# Altium PCB GN-1876-HI3519AV100_V1.PCBDOC (part 6 of 6)
Units mil, origin at the board's own origin, x right, y up, seen from the top; angles counter-clockwise.
Board outline 3755 x 2651.95 mil, 4 copper layers (Top Layer, Mid-Layer 1, Mid-Layer 2, Bottom Layer); 463 components, 378 nets, 2062 pads, 1225 vias.
Unrouted connection lines stored in the file: 13.
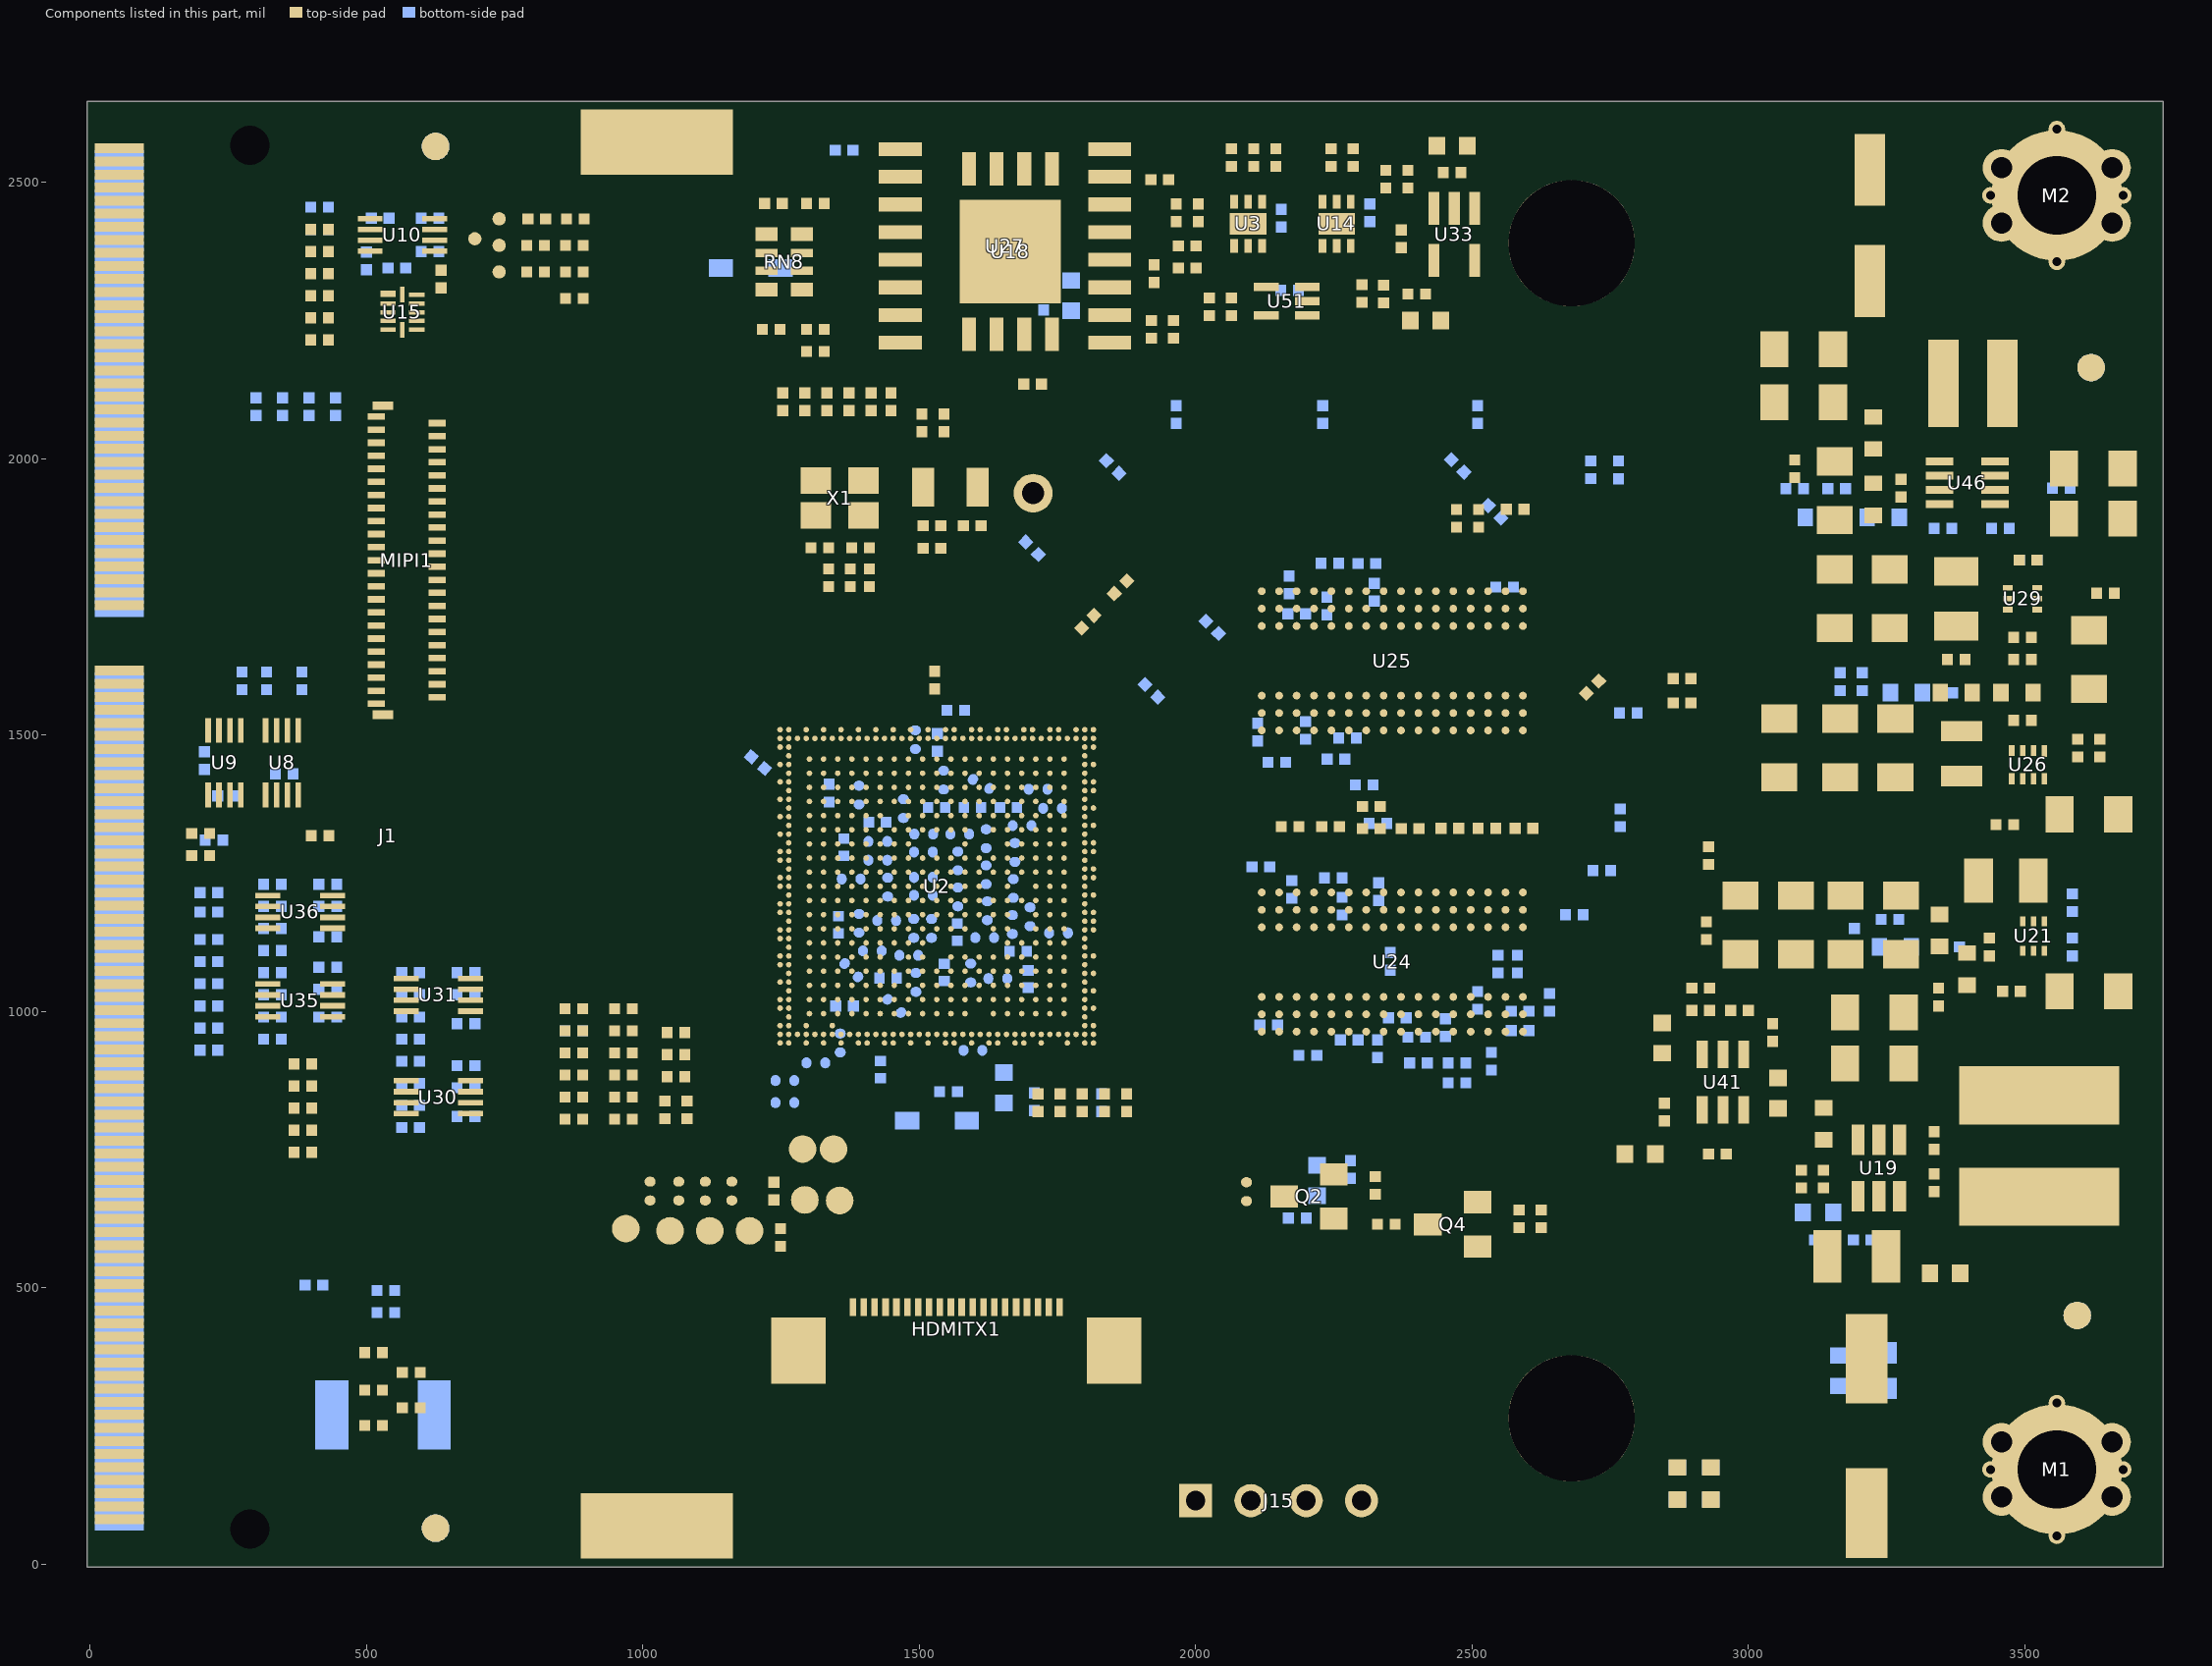
[diagram p8: the components of this part, seen from the top]

## Other copper
Top Layer:
  region net 1V2: 3480,1482.16 3460,1482.16 3416,1526.16 3352,1526.16 3328,1550.16 3308,1550.16 3308,1558.16 3364,1558.16 3364,1594.16 3292,1594.16 3254,1556.16 2972,1556.16 2947,1581.16 2947,1626.16 2892,1626.16 2892,1546.16 2940,1498.16 3320,1498.16 3336,1482.16 3424,1482.16 3444,1462.16 3480,1462.16 3480,1482.16
  pour cut-out: 3577,1609 3654,1609 3654,1657 3577,1657 3577,1609
  pour cut-out: 1964,1086.16 1868,1086.16 1826,1128.16 1792,1128.16 1785,1135.16 1785,1482.16 1544,1482.16 1514,1512.16 1514,1566.16 1507,1573.16 1507,1638.16 1540,1638.16 1540,1686.16 2030,2176.16 2628,2176.16 2865,1939.16 2865,1702.16 2788.5,1625.66 2788.5,1566.16 2666.25,1443.91 2124,1443.91 2029.12,1349.03 2029.12,1310.16 2050.56,1288.72 2820,1288.72 2820,1106.16 2696,982.16 2672,982.16 2588,898.16 2152,898.16 1964,1086.16
  pour cut-out: 1526,442.16 1369,442.16 1369,506.16 1526,506.16 1526,442.16
  region net $38N1952: 3492,1430.16 3492,1406.16 3482,1396.16 3440,1396.16 3423,1413.16 3423,1442.16 3376,1442.16 3376,1406.16 3406,1376.16 3488,1376.16 3501,1389.16 3501,1430.16 3492,1430.16
  region net 3V3: 2835,805 2835,720 2940,720 2940,760 2930,770 2930,850 2900,850 2900,795 2860,795 2860,805 2835,805
  region net 12V0: 3224,690.16 3224,506.16 3176,458.16 3124,458.16 3124,402.16 3174,352.16 3248,352.16 3297,401.16 3297,502.16 3348,502.16 3348,550.16 3288,610.16 3256,610.16 3248,618.16 3248,690.16 3224,690.16
  region net $37N2372: 3460,1974.16 3480,1974.16 3484,1978.16 3484,2022.16 3450,2056.16 3432,2056.16 3432,2214.16 3488,2214.16 3488,2126.16 3516,2098.16 3516,1974.16 3502,1960.16 3492,1960.16 3489,1963.16 3460,1963.16 3460,1974.16
  region net DVDD_CPU_MEDIA: 3374.5,1986.16 3320,1986.16 3320,2202.16 3272,2250.16 3204,2250.16 3204,2170.16 3250,2124.16 3250,2058.16 3208,2058.16 3208,2126.16 3192,2142.16 3184,2142.16 3184,2062.16 3202,2044.16 3202,1982.16 3120,1982.16 3116,1986.16 3040,1986.16 3040,2058.16 3124,2058.16 3124,2266.16 3194,2336.16 3292,2336.16 3385,2243.16 3385,2042.16 3374.5,2031.66 3374.5,1986.16
  region net $35N3552: 3268,638.16 3316,638.16 3346,608.16 3672,608.16 3672,718.16 3380,718.16 3380,682.16 3296,682.16 3286,692.16 3268,692.16 3268,638.16
  pour cut-out: 3074,2070 3126,2070 3126,2229 3074,2229 3074,2070
  pour cut-out: 3446,1195 3490,1195 3490,1280 3446,1280 3446,1195
  pour cut-out: 120,814.16 120,714.16 200,714.16 222,736.16 264,736.16 264,770.16 240,770.16 220,790.16 192,790.16 192,814.16 120,814.16
  pour cut-out: 3601,1860 3651,1860 3651,2013 3601,2013 3601,1860
  pour cut-out: 1505,958.16 1505,830.16 1500,825.16 1500,604.16 1525,579.16 1525,442.16 1773,442.16 1773,522.16 1759.5,535.66 1759.5,620.16 1656.75,722.91 1656.75,845.16 1604.88,897.03 1604.88,963.16 1600.44,967.59 1590,967.59 1585.78,963.38 1585.78,958.16 1580.89,953.27 1577,953.27 1573.05,957.21 1573.05,962.16 1567.03,968.18 1543,968.18 1536.49,961.67 1536.49,956.16 1533.74,953.41 1529,953.41 1524.63,957.79 1524.63,961.16 1520.81,964.97 1507,964.97 1507,958.16 1505,958.16
  region net 3V3: 3380,790.16 3352,818.16 3352,850.16 3296,850.16 3260,814.16 3124,814.16 3124,834.16 3240,834.16 3252,846.16 3252,1034.16 3308,1034.16 3348,994.16 3488,994.16 3498,1004.16 3498,1070.16 3507,1079.16 3528,1079.16 3528,1110.16 3544,1110.16 3582,1072.16 3582,986.16 3540,986.16 3500,946.16 3328,946.16 3328,910.16 3676,910.16 3676,790.16 3380,790.16
  region net 1V8: 3480,1730.16 3440,1730.16 3436,1726.16 3128,1726.16 3116,1738.16 3044,1738.16 3044,1654.16 3124,1654.16 3134,1664.16 3240,1664.16 3281,1623.16 3372,1623.16 3372,1650.16 3292,1650.16 3292,1666.16 3424,1666.16 3424,1682.16 3452,1710.16 3480,1710.16 3480,1730.16
  region net $36N2625: 3532,1154.16 3532,1278.16 3552,1278.16 3552,1154.16 3532,1154.16
  pour cut-out: 3386,2034 3434,2034 3434,2225 3386,2225 3386,2034
  pour cut-out: 3119,1915 3186,1915 3186,1969 3119,1969 3119,1915
  region net $37N2466: 3480,1762.16 3432,1762.16 3422,1772.16 3360,1772.16 3360,1822.16 3416,1822.16 3454,1784.16 3480,1784.16 3480,1762.16
  region net 1V8: 2475,2582.5 2475,2505 2490,2490 2490,2420 2520,2420 2520,2525 2525,2525 2525,2320 2545,2300 2560,2300 2575,2315 2575,2325 2555,2345 2555,2555 2527.5,2582.5 2475,2582.5
  pour cut-out: 496,2106.16 556,2106.16 582,2132.16 768,2132.16 805,2095.16 805,2042.16 822.5,2024.66 968,2024.66 999.25,1993.41 999.25,1498.16 1167.62,1329.78 1268,1329.78 1268,1062.16 1188,1062.16 1184,1058.16 824,1058.16 542,1340.16 542,1518.16 496,1518.16 496,2106.16
  pour cut-out: 3087,2383 3356,2383 3356,2459 3087,2459 3087,2383
  pour cut-out: 3018,1449 3325,1449 3325,1496 3018,1496 3018,1449
  pour cut-out: 3127,1727 3414,1727 3414,1772 3127,1772 3127,1727
  pour cut-out: 2950,1131 3309,1131 3309,1184 2950,1184 2950,1131
  pour cut-out: 2160,1322.16 2160,1346.16 2244,1346.16 2248,1350.16 2248,1398.16 2228,1418.16 2212,1418.16 2198,1432.16 2198,1450.16 2656,1450.16 2762,1556.16 2768,1556.16 2768,1458.16 2820,1406.16 2820,1278.16 2204,1278.16 2204,1314.16 2196,1322.16 2160,1322.16
  pour cut-out: 3381,717 3673,717 3673,792 3381,792 3381,717
  pour cut-out: 3054,173 3373,173 3373,292 3054,292 3054,173
  region net 3V3: 3512,1430.16 3512,1378.16 3486,1352.16 3486,1306.16 3592,1306.16 3592,1390.16 3606,1404.16 3606,1458.16 3584,1458.16 3584,1434.16 3544,1394.16 3528,1394.16 3522,1400.16 3522,1430.16 3512,1430.16
  pour cut-out: 3201,873 3257,873 3257,1029 3201,1029 3201,873
  pour cut-out: -0.4,2649.86 104.6,2649.86 104.6,0 -0.4,0 -0.4,2649.86
  region net DVDD: 3504,1150.16 3488,1150.16 3488,1158.16 3476,1170.16 3388,1170.16 3388,1202.16 3312,1202.16 3312,1186.16 3364,1186.16 3364,1166.16 3288,1166.16 3272,1182.16 2948,1182.16 2934,1168.16 2896,1168.16 2896,1258.16 2936,1258.16 2952,1242.16 3272,1242.16 3312,1282.16 3444,1282.16 3444,1202.16 3464,1182.16 3504,1182.16 3504,1150.16
  pour cut-out: 3171,505 3219,505 3219,605 3171,605 3171,505
  region net 3V3: 3516,1762.16 3572,1762.16 3572,1662.16 3576,1658.16 3652,1658.16 3652,1718.16 3628,1742.16 3628,1814.16 3600,1842.16 3600,2018.16 3540,2018.16 3540,1970.16 3522,1952.16 3432,1952.16 3432,1938.16 3476,1938.16 3494,1920.16 3494,1866.16 3525,1835.16 3525,1798.16 3568,1798.16 3568,1786.16 3544,1786.16 3532,1774.16 3516,1774.16 3516,1762.16
  pour cut-out: 3590,1320 3645,1320 3645,1391 3590,1391 3590,1320
  pour cut-out: 440,702.16 440,494.16 460,474.16 460,414.16 496,414.16 496,646.16 486,656.16 476,656.16 476,702.16 440,702.16
  pour cut-out: 3349,1447 3423,1447 3423,1482 3349,1482 3349,1447
  region net 3V3: 2168,770.16 2344,770.16 2392,722.16 2480,722.16 2480,698.16 2204,698.16 2168,734.16 2168,770.16
  text "GN-1876-HI3519AV100 ARTWORK TOP" at 347.75,-1844 h125
Mid-Layer 1:
  pour cut-out: 1525,505.16 1774,505.16 1774,442.16 1525,442.16 1525,505.16
  text "GN-1876-HI3519AV100  ARTWORK LAYER02" at 337.66,-2070.46 h125
Mid-Layer 2:
  region net 1V2: 289 vertices and 0 holes, not listed, extent 1590,1205.89 1710.01,1405.17
  pour cut-out: 584,2131.33 732,2131.33 732,2094.16 888,2094.16 970,2012.16 970,1462.16 1105,1327.16 1268,1327.16 1268,1310.16 1304,1310.16 1326,1288.16 1326,1098.16 1272,1098.16 1254,1080.16 916,1080.16 821,1175.16 821,1246.16 726.5,1340.66 700,1340.66 658.75,1299.41 632,1299.41 598.62,1332.78 552,1332.78 499.31,1385.47 499.31,1642.16 533.66,1676.5 533.66,2098.16 566.83,2131.33 584,2131.33
  region net 1V8: 2172,526.16 2268,526.16 2268,566.16 2172,566.16 2172,526.16
  region net 1V2: 470 vertices and 0 holes, not listed, extent 2125.99,925.57 2569.99,1013.84
  region net DVDD: 2895,1255 2895,1205 2955,1205 2955,1240 2935,1240 2920,1255 2895,1255
  pour cut-out: 2124,1226.16 2136,1214.16 2140,1218.16 2208,1218.16 2266,1160.16 2304,1160.16 2309,1165.16 2309,1174.16 2318.5,1183.66 2344,1183.66 2344,1114.16 2320,1090.16 2320,1082.16 2340,1062.16 2360,1062.16 2372,1050.16 2372,1030.16 2360,1018.16 2352,1018.16 2346,1012.16 2346,1006.16 2329,989.16 2168,989.16 2137.5,1019.66 2132,1019.66 2125.25,1012.91 2012,1012.91 1927.38,1097.53 1868,1097.53 1819.69,1145.84 1716,1145.84 1707.84,1154 1707.84,1202.16 1711.92,1206.24 1728,1206.24 1731.96,1210.2 1731.96,1246.16 1727.98,1250.14 1716,1250.14 1707.99,1258.15 1707.99,1282.16 1728,1282.16 1732,1286.16 1732,1294.16 1728,1298.16 1724,1298.16 1706,1316.16 1706,1350.16 1715,1359.16 1736,1359.16 1757.5,1380.66 1757.5,1398.16 1752.75,1402.91 1740,1402.91 1730.38,1412.53 1730.38,1446.16 1767.19,1482.97 1816,1482.97 2039.59,1706.56 2252,1706.56 2256.2,1702.36 2268,1702.36 2268,1702.16 2282,1688.16 2282,1682.16 2289,1675.16 2300,1675.16 2303.5,1678.66 2303.5,1686.16 2319.75,1702.41 2336,1702.41 2342.12,1696.28 2342.12,1662.16 2325.06,1645.09 2312,1645.09 2304.53,1637.63 2292,1637.63 2292,1626.16 2304,1626.16 2324,1606.16 2336,1606.16 2342,1600.16 2342,1550.16 2323,1531.16 2132,1531.16 2121.5,1520.66 2121.5,1470.16 2142.75,1448.91 2142.75,1274.16 2121.38,1252.78 2121.38,1226.16 2124,1226.16
  text "GN-1876-HI3519AV100  ARTWORK LAYER03" at 313.7,-2304.02 h125
Bottom Layer:
  pour cut-out: 1620,1030.16 1606,1016.16 1606,974.16 1717,863.16 1717,806.16 1702.5,791.66 1702.5,778.16 1643.25,718.91 556,718.91 542.38,732.53 364,732.53 345.19,751.34 312,751.34 306.59,756.75 306.59,782.16 299.3,789.45 268,789.45 262.35,783.81 262.35,766.16 244,766.16 240,770.16 240,782.16 230,792.16 230,798.16 239,807.16 239,822.16 207.5,853.66 104,853.66 104,718.16 152,718.16 152,694.16 188,658.16 284,658.16 308,634.16 308,622.16 192,622.16 124,690.16 104,690.16 104,530.16 236,530.16 268,498.16 356,498.16 370,484.16 456,484.16 489,517.16 1748,517.16 1946.5,715.66 1946.5,746.16 1927.25,765.41 1927.25,798.16 1893.62,831.78 1852,831.78 1852,874.16 1840,886.16 1824,886.16 1824,958.16 1784,998.16 1768,998.16 1738,1028.16 1620,1028.16 1620,1030.16
  region net 12V0: 3164,362.16 3264,362.16 3296,394.16 3296,446.16 3240,502.16 3240,602.16 3216,602.16 3216,502.16 3170,456.16 3124,456.16 3124,402.16 3164,362.16
  region net 3V3: 2164,770.16 2164,730.16 2188,706.16 2236,706.16 2252,722.16 2292,722.16 2292,770.16 2164,770.16
  region net 3V3: 2416,466.16 2480,466.16 2480,722.16 2416,722.16 2416,466.16
  region net 12V0IN: 124,200.16 194,200.16 328,334.16 418,334.16 418,208.16 350,208.16 206,64.16 124,64.16 124,200.16
  region net 12V0: 592,297.16 592,206.16 724,206.16 750,232.16 750,266.16 719,297.16 592,297.16
  pour cut-out: -0.4,0 104.6,0 104.6,2649.86 -0.4,2649.86 -0.4,0
  region net 1V8: 2176,526.16 2176,562.16 2188,574.16 2224,574.16 2258,608.16 2272,608.16 2272,526.16 2176,526.16
  region net 1V8: 3044,1654.16 3132,1654.16 3132,1738.16 3044,1738.16 3044,1654.16
  text "GN-1876-HI3519AV100  ARTWORK BOTTOM" at 5223.48,-2544.75 h125
Multi-Layer:
  lines w10: -3426.39,-2874.82 -2926.39,-2874.82 ; -3426.39,-324.82 -2926.39,-324.82 ; -3426.39,2225.18 -2926.39,2225.18 ; -516.39,4775.18 -516.39,5275.18 ; 1903.61,4775.18 1903.61,5275.18 ; 4333.61,4775.18 4333.61,5275.18 ; 6733.61,4775.18 6733.61,5275.18 ; 8103.61,3775.18 11573.61,3775.18 ; 8103.61,3975.18 11573.61,3975.18 ; 8103.61,4175.18 11573.61,4175.18 ; 8103.61,4375.18 11573.61,4375.18 ; 8103.61,4575.18 11573.61,4575.18 ; 8703.61,3575.18 8703.61,4575.18 ; 9153.61,4775.18 9153.61,5275.18 ; 10203.61,3575.18 10203.61,4575.18 ; 11103.61,3575.18 11103.61,4575.18 ; 11573.61,-2874.82 12073.61,-2874.82 ; 11573.61,-324.82 12073.61,-324.82 ; 11573.61,2225.18 12073.61,2225.18 ; 6873.61,-5424.82 6873.61,-4924.82 11573.61,-4924.82 11573.61,-5424.82 ; 6873.61,-5424.82 11573.61,-5424.82 ; 6873.61,-5424.82 6873.61,-2324.82 11573.61,-2324.82 11573.61,-5424.82 ; 6873.61,-5424.82 11573.61,-5424.82 ; 6873.61,-3524.82 6873.61,-3224.82 ; 6873.61,-3524.82 11573.61,-3524.82 ; 6873.61,-3524.82 6873.61,-3824.82 11573.61,-3824.82 11573.61,-3524.82 ; 6873.61,-3524.82 11573.61,-3524.82 ; 6873.61,-3224.82 6873.61,-2924.82 ; 6873.61,-3224.82 11573.61,-3224.82 ; 6873.61,-3224.82 6873.61,-2924.82 ; 6873.61,-3224.82 11573.61,-3224.82 ; 6873.61,-3224.82 11573.61,-3224.82 ; 6873.61,-2924.82 11573.61,-2924.82 ; 6873.61,-2924.82 11573.61,-2924.82 ; 9173.61,-3224.82 9173.61,-2924.82 11573.61,-2924.82 ; 9173.61,-3224.82 11573.61,-3224.82 ; 9173.61,-3224.82 9173.61,-3524.82 11573.61,-3524.82 ; 9173.61,-3224.82 11573.61,-3224.82 ; 11573.61,-5424.82 -2926.39,-5424.82 -2926.39,4775.18 11573.61,4775.18 ; 11573.61,-5424.82 11573.61,4775.18 ; 11573.61,-3524.82 11573.61,-3224.82 ; 11573.61,-3524.82 11573.61,-3224.82 ; 11573.61,-3224.82 11573.61,-2924.82 ; 11573.61,-3224.82 11573.61,-2924.82 ; 11573.61,-3224.82 11573.61,-2924.82 ; 11573.61,4775.18 11573.61,3575.18 8103.61,3575.18 8103.61,4775.18 11573.61,4775.18
  text "6" at -1726.39,4875.18 h125
  text "5" at 693.61,4875.18 h125
  text "4" at 3113.61,4875.18 h125
  text "3" at 5533.61,4875.18 h125
  text "2" at 7943.61,4875.18 h125
  text "1" at 10363.61,4875.18 h125
  text "REVISION RECORD" at 9423.61,4625.18 h50
  text "LTR" at 8323.61,4425.18 h50
  text "ECO NO:" at 9223.61,4425.18 h50
  text "APPROVED:" at 10373.61,4425.18 h50
  text "DATE:" at 11153.61,4425.18 h50
  text "D" at -3176.39,3495.18 h125
  text "D" at 11673.61,3495.18 h125
  text "C" at -3176.39,945.18 h125
  text "C" at 11673.61,945.18 h125
  text "B" at -3176.39,-1604.82 h125
  text "B" at 11673.61,-1604.82 h125
  text "Titel:" at 6973.61,-2624.82 h150
  text "GN-1876-HI3519AV100" at 7873.61,-2824.82 h150
  text "Ver:" at 6973.61,-3124.82 h100
  text "V1" at 7673.61,-3124.82 h100
  text "Date:" at 9273.61,-3124.82 h100
  text "2/25/2019" at 9973.61,-3124.82 h100
  text "Size:" at 6973.61,-3424.82 h100
  text "A3" at 7673.61,-3424.82 h100
  text "Copyright:" at 9273.61,-3424.82 h100
  text "2019" at 10273.61,-3424.82 h100
  text "Drawn By:" at 6973.61,-3724.82 h100
  text "XianQi Xie" at 8273.61,-3724.82 h100
  text "A" at -3176.39,-4154.82 h125
  text "A" at 11673.61,-4154.82 h125
  text "GOSPELL" at 7573.61,-4624.82 h500
  text "All rights reserved" at 7573.61,-5124.82 h100
  text "COMPANY:GOSPELL Digital Technology Co., Ltd" at 7573.61,-5324.82 h100

## Silkscreen, mask and mechanical layers (free items; w line width, h text height)
Top Overlay:
  text "Name:GN-1876-HI3519AV100" at 380,500 h33
  text "Ver:1.0" at 380,445 h33
  text "2019-03-08" at 635,440 h33
Bottom Overlay:
  text "GN-1876-HI3519AV100  SILKSCREEN BOTTOM" at 4959.56,-3195.02 h125
Top Paste:
  text "GN-1876-HI3519AV100  PASTEMASK TOP" at 968.05,-3836.08 h125
Bottom Paste:
  text "GN-1876-HI3519AV100  PASTEMASK BOTTOM" at 4894.1,-4115.92 h125
Top Solder:
  drawing of 95 lines, arcs and shapes, not listed
  text "GN-1876-HI3519AV100  SOLDMASK TOP" at 843.03,-4433.28 h125
Bottom Solder:
  region: 2790,1270.16 2790,1028.8 2646.68,885.48 2646.68,880.48 2656,871.16 2660.64,871.16 2806,1016.52 2806,1270.16 2790,1270.16
  region: 2551.06,2094.71 2540.45,2084.1 2634.7,1989.85 2645.31,2000.46 2551.06,2094.71
  region: 2195,2105.16 2000,2105.16 2000,2090.16 2195,2090.16 2195,2105.16
  region: 1840.5,1116.66 1840.5,1098.82 1859.21,1080.11 1861.44,1078.38 1864.06,1077.33 1866.4,1077.06 1914.93,1077.06 1916.13,1076.89 2144.9,848.02 2411.34,848.02 2411.34,869.99 2151.21,869.99 1927.49,1093.81 1925.26,1095.54 1923.95,1096.06 1922.64,1096.58 1920.3,1096.86 1916.7,1097.06 1870.54,1097.06 1847.94,1119.66 1843.5,1119.66 1840.5,1116.66
  region: 1657.1,1823.26 1549,1715.16 1549,1585.16 1563,1585.16 1563,1710.16 1666.6,1813.76 1657.1,1823.26
  region: 2260,2102.66 2470,2102.66 2470,2087.66 2260,2087.66 2260,2102.66
  text "GN-1876-HI3519AV100  SOLDMASK BOTTOM" at 4644.22,-4747.55 h125
Drill Drawing:
  text "GN-1876-HI3519AV100  DRILL CHART" at 1057.03,-3511.45 h125